# KiCad board 1 - ATX 16 bit ISA passive backplane.kicad_pcb (continued)
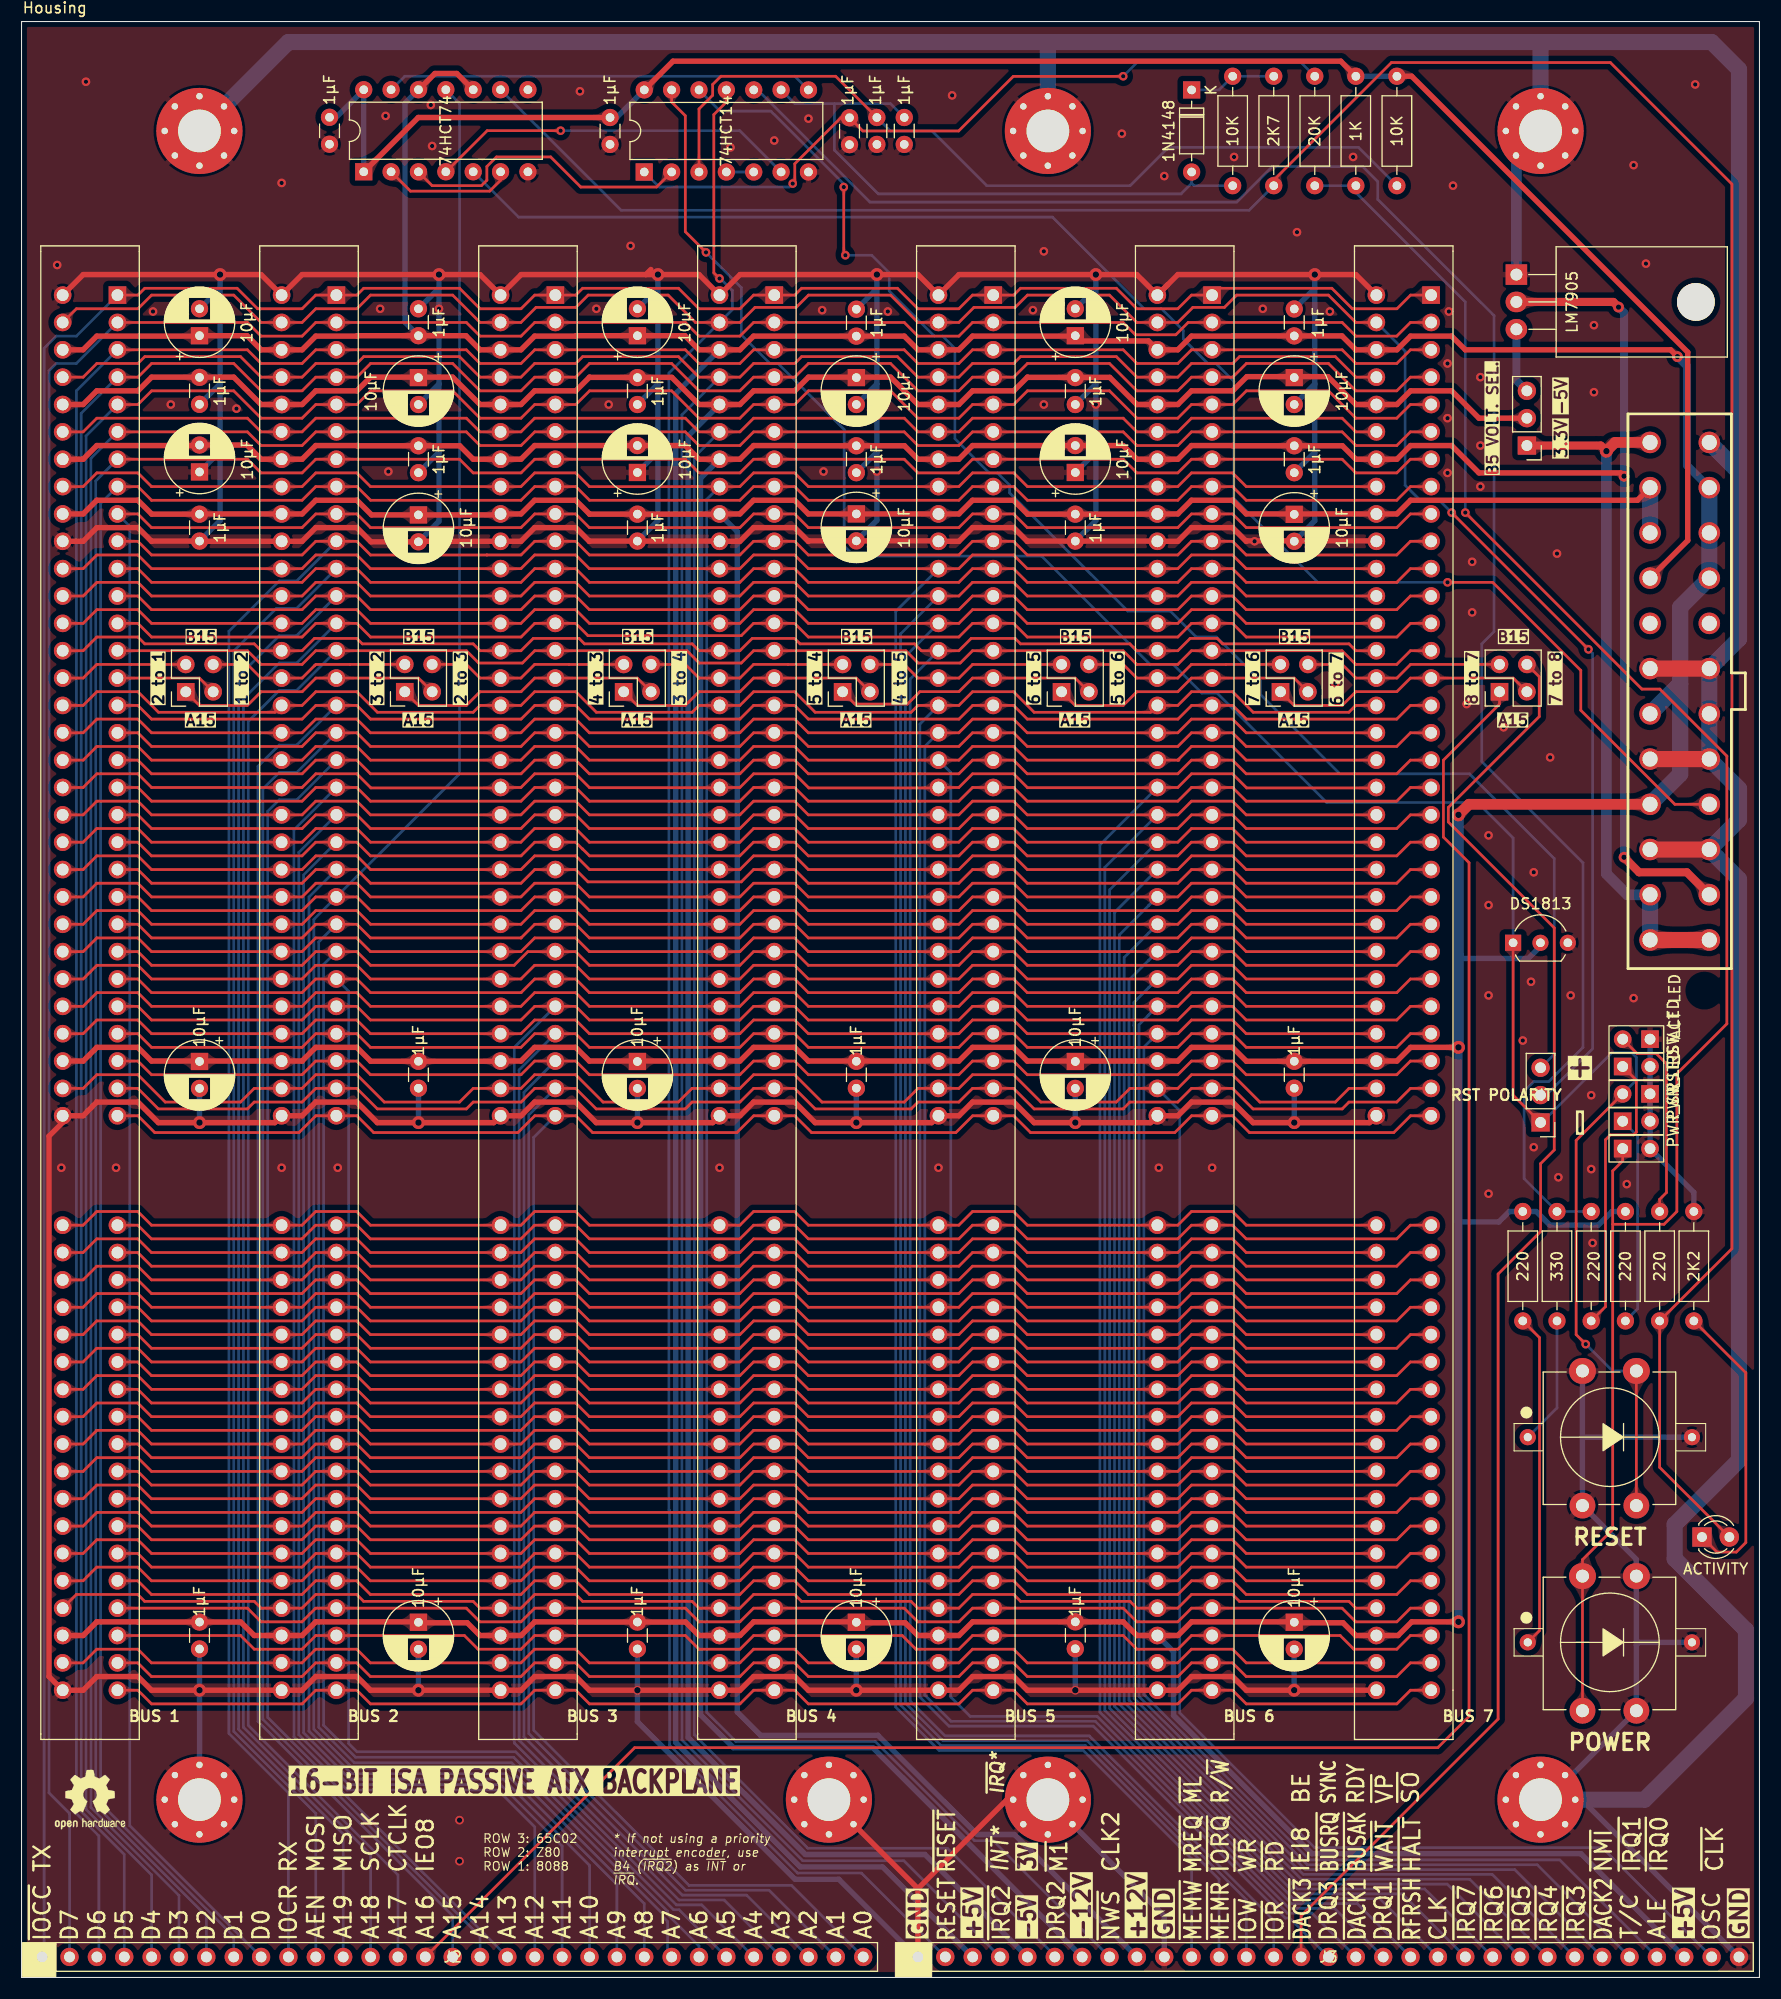
[diagram p0: board, top side]
## Routing (per net, layer and track width the routed paths; a pad name or vN(x,y) marks a point on that pad's centre or on a via; arc(x,y) is an arc through that point) (continued)
/D12: length 128.2
  Top w0.25: J9.77 128.9,34.29 127.63,33.02 123.82,33.02 122.55,34.29 J8.77 108.58,34.29 107.31,33.02 103.51,33.02 102.24,34.29 J7.77 88.26,34.29 86.99,33.02 83.18,33.02 81.91,34.29 J6.77 67.94,34.29 66.67,33.02 62.87,33.02 61.6,34.29 J5.77 47.62,34.29 46.36,33.02 42.55,33.02 41.28,34.29 J4.77 27.3,34.29 26.03,33.02 22.23,33.02 20.96,34.29 J1.77
/D13: length 128.2
  Top w0.25: J1.78 20.33,31.75 21.6,30.48 26.04,30.48 27.31,31.75 J4.78 41.1,31.75 42.37,30.48 46.36,30.48 47.62,31.75 J5.78 61.6,31.75 62.87,30.48 66.67,30.48 67.95,31.75 J6.78 81.74,31.75 83.01,30.48 86.99,30.48 88.26,31.75 J7.78 102.24,31.75 103.51,30.48 107.31,30.48 108.58,31.75 J8.78 122.38,31.75 123.65,30.48 127.63,30.48 128.9,31.75 J9.78
/D14: length 128.2
  Top w0.25: J9.79 128.9,29.21 127.63,27.94 113.66,27.94 112.39,29.21 J8.79 108.58,29.21 107.31,27.94 93.34,27.94 92.07,29.21 J7.79 88.26,29.21 86.99,27.94 73.02,27.94 71.75,29.21 J6.79 67.94,29.21 66.67,27.94 52.7,27.94 51.43,29.21 J5.79 47.62,29.21 46.35,27.94 32.38,27.94 31.11,29.21 J4.79 27.3,29.21 26.03,27.94 12.06,27.94 10.79,29.21 J1.79
/D15: length 128.2
  Top w0.25: J9.80 128.9,26.67 127.63,25.4 113.66,25.4 112.39,26.67 J8.80 108.58,26.67 107.31,25.4 93.34,25.4 92.07,26.67 J7.80 88.26,26.67 86.99,25.4 73.03,25.4 71.76,26.67 J6.80 67.95,26.67 66.67,25.4 52.7,25.4 51.44,26.67 J5.80 47.62,26.67 46.36,25.4 32.39,25.4 31.11,26.67 J4.80 27.31,26.67 26.04,25.4 12.07,25.4 10.8,26.67 J1.80
/IEI1: length 12
  Top w0.25: 3.82,120.65 5.71,120.65 6.98,121.92 10.17,121.92 10.17,121.91 15.24,121.91
/IEI2: length 18.8
  Top w0.25: 17.78,121.91 20.97,121.91 22.23,120.65 J4.46 26.04,120.65 27.18,121.79 27.18,121.79 27.31,121.92 30.49,121.92 30.49,121.92 J23.2
/IEI3: length 18.8
  Top w0.25: J23.4 41.28,121.92 42.55,120.65 J5.46 46.35,120.65 47.62,121.92 50.81,121.92 50.81,121.91 55.88,121.91
/IEI4: length 18.8
  Top w0.25: 58.42,121.91 61.6,121.91 61.6,121.92 62.87,120.65 J6.46 66.67,120.65 67.94,121.92 71.13,121.92 71.13,121.91 76.2,121.91
/IEI5: length 18.8
  Top w0.25: 96.52,121.91 88.28,121.91 88.27,121.92 87,120.65 J7.46 83.19,120.65 81.93,121.91 78.74,121.91
/IEI6: length 18.8
  Top w0.25: 116.84,121.91 116.85,121.92 111.77,121.92 111.77,121.91 108.58,121.91 108.58,121.92 107.31,120.65 J8.46 103.51,120.65 102.25,121.91 99.06,121.91
/IEI7: length 18.8
  Top w0.25: J28.2 128.91,121.92 127.64,120.65 J9.46 123.83,120.65 122.57,121.91 119.38,121.91
/IEI8: length 137.8
  Top w0.25: J3.15 118.75,5.72 137.04,24 137.04,65.31 140.98,69.25 140.98,75.56 142.25,76.83 142.25,97.45 132.41,107.29 132.41,108.63 140.85,117.07 140.85,120.77 J28.4
/IEO1: length 9.4
  Top w0.25: J1.15 16.51,120.65 J22.3
/IEO2: length 25
  Top w0.25: J22.1 16.51,118.11 20.96,118.11 22.23,119.38 26.04,119.38 27.31,120.65 J4.15 36.84,120.65 J23.3
/IEO3: length 25
  Top w0.25: J23.1 36.84,118.11 41.28,118.11 42.55,119.38 46.36,119.38 47.62,120.65 J5.15 57.15,120.65 J24.3
/IEO4: length 25
  Top w0.25: J25.3 77.47,120.65 J6.15 67.94,120.65 66.67,119.38 62.87,119.38 61.6,118.11 57.15,118.11 J24.1
/IEO5: length 24.9
  Top w0.25: J25.1 77.34,118.23 82.22,118.23 83.37,119.39 87,119.39 88.26,120.65 J7.15 97.79,120.65 J26.3
/IEO6: length 25
  Top w0.25: J26.1 97.79,118.11 102.24,118.11 103.51,119.38 107.31,119.38 108.58,120.65 J8.15 118.11,120.65 J27.3
/IEO7: length 25
  Top w0.25: J28.3 138.44,120.65 J9.15 128.9,120.65 127.64,119.39 123.84,119.39 122.56,118.11 118.11,118.11 J27.1
/IEO8: length 204.4
  Top w0.25: J2.15 56.9,21.34 131.44,21.34 134.34,24.24 134.34,103.51 131.96,105.88 131.96,113.03 137.17,118.24 J28.1
/MISO: length 263.3
  Top w0.25: J1.12 10.8,128.27 12.07,127 26.04,127 27.31,128.27 J4.12 31.11,128.27 32.39,127 46.36,127 47.62,128.27 J5.12 51.43,128.27 52.7,127 66.67,127 67.94,128.27 J6.12 71.75,128.27 73.02,127 86.99,127 88.26,128.27 J7.12 92.07,128.27 93.34,127 107.31,127 108.58,128.27 J8.12 112.39,128.27 113.66,127 127.63,127 128.9,128.27 J9.12
  Bottom w0.25: J2.12 29.85,13.33 20.14,23.04 20.14,120.81 23.92,124.59 25.53,124.59 J4.12
/MOSI: length 265.3
  Top w0.25: J9.11 128.9,130.81 127.63,129.54 113.66,129.54 112.39,130.81 J8.11 108.58,130.81 107.31,129.54 93.34,129.54 92.07,130.81 J7.11 88.26,130.81 86.99,129.54 73.02,129.54 71.75,130.81 J6.11 67.94,130.81 66.67,129.54 52.7,129.54 51.43,130.81 J5.11 47.62,130.81 46.36,129.54 32.39,129.54 31.11,130.81 J4.11 27.31,130.81 26.04,129.54 12.07,129.54 10.8,130.81 J1.11
  Bottom w0.25: J2.11 27.31,15.23 19.69,22.85 19.69,123.16 23.66,127.13 25.53,127.13 J4.11
/Power/ATX_3V3: length 65.8
  Top w0.75: J19.1 146.57,142.24 v2(147.09,141.72)
  Top w1: v2(147.09,141.72) 147.9,142.53 J10.12
  Top w1.5: J10.1 J10.13
  Bottom w1: J10.2 149.03,100.53 147.09,102.48 v2(147.09,141.72)
  Bottom w1.5: J10.1 J10.2
/Power/ATX_-5V: length 6.1
  Bottom w0.75: U4.3 138.73,148.29 J19.3
/Power/~{PS_ON}: length 148
  Top w0.25: v1(132.34,129.54) 136.53,129.54 144.71,121.36 144.71,117.66 153.44,108.93 J10.16
  Bottom w0.25: U3.5 46.13,163.45 95.68,163.45 104.19,154.94 105.79,154.94 107.82,152.91 107.82,152.13 110.09,149.86 110.85,149.86 112.51,148.2 112.51,137.34 120.31,129.54 v1(132.34,129.54)
/Power/~{PWR_UP}: length 34.3
  Top w0.25: U3.4 39.4,167.66 43.21,171.48 v1(50.03,171.48)
  Bottom w0.25: v1(50.03,171.48) 66.66,171.48 U1.6
/Reset & LEDs/+RST: length 139.8
  Top w0.25: v1(76.46,159.91) 76.31,160.06 v1(76.31,166.24)
  Bottom w0.25: U1.12 64.84,173.29 69.54,173.29 76.31,166.52 v1(76.31,166.24) ; J16.3 140.99,84.47 142.25,85.72 142.25,103.89 134.37,111.76 122.34,111.76 114.97,119.13 114.97,120.4 110.91,124.46 109.02,124.46 106.61,126.87 102.66,126.87 91.7,137.83 91.7,138.57 90.57,139.7 89.8,139.7 86.62,142.88 86.62,151.27 85.49,152.4 84.72,152.4 80.53,156.59 80.53,158.28 78.9,159.91 v1(76.46,159.91)
/Reset & LEDs/-RST: length 209.5
  Top w0.25: v1(63.52,160.18) 61.6,162.1 61.6,172.86 60.33,174.13 U1.13 ; SW2.2 SW2.2 ; J18.2 144.28,77.72 144.28,59.69 v1(145.17,58.8) ; J16.1 140.96,79.39 138.43,81.92 RS1.1
  Bottom w0.25: J16.1 141.12,79.39 147.58,85.85 149.45,85.85 149.87,85.44 149.87,83.31 J18.2 ; SW2.2 147.65,56.31 v1(145.17,58.8) ; RS1.1 138.43,105.8 135.13,109.09 121.12,109.09 110.96,119.25 109.55,119.25 106.88,121.92 104.73,121.92 94.67,131.97 77.28,131.97 76.35,132.91 76.35,143.72 70.21,149.86 69.46,149.86 66.8,152.52 66.8,156.9 v1(63.52,160.18)
/RX: length 267
  Top w0.25: J9.10 128.9,133.35 127.63,132.08 113.66,132.08 112.39,133.35 J8.10 108.58,133.35 107.31,132.08 93.34,132.08 92.07,133.35 J7.10 88.26,133.35 86.99,132.08 73.02,132.08 71.75,133.35 J6.10 67.94,133.35 66.67,132.08 52.7,132.08 51.43,133.35 J5.10 47.62,133.35 46.36,132.08 43.19,132.08 43.18,132.08 32.39,132.08 31.11,133.35 J4.10 27.31,133.35 26.04,132.08 12.07,132.08 10.8,133.35 J1.10
  Bottom w0.25: J4.10 25.53,129.67 23.92,129.67 19.24,124.99 19.24,22.66 24.77,17.13 J2.10
/RX2: length 128.2
  Top w0.25: J1.72 10.79,46.99 12.06,45.72 26.03,45.72 27.3,46.99 J4.72 31.11,46.99 32.38,45.72 46.35,45.72 47.62,46.99 J5.72 51.43,46.99 52.7,45.72 66.67,45.72 67.94,46.99 J6.72 71.75,46.99 73.02,45.72 86.99,45.72 88.26,46.99 J7.72 92.07,46.99 93.34,45.72 107.31,45.72 108.58,46.99 J8.72 112.39,46.99 113.66,45.72 127.63,45.72 128.9,46.99 J9.72
/SCLK: length 261.4
  Top w0.25: J1.13 10.8,125.73 12.07,124.46 26.04,124.46 27.31,125.73 J4.13 31.12,125.73 32.39,124.46 46.36,124.46 47.62,125.73 J5.13 51.43,125.73 52.57,124.59 66.8,124.59 67.94,125.73 J6.13 71.75,125.73 73.02,124.46 86.99,124.46 88.26,125.73 J7.13 92.07,125.73 93.34,124.46 107.31,124.46 108.58,125.73 J8.13 112.39,125.73 113.66,124.46 127.64,124.46 128.91,125.73 J9.13
  Bottom w0.25: J4.13 25.53,122.05 23.92,122.05 20.59,118.72 20.59,23.22 32.39,11.42 J2.13
/TX: length 290.5
  Top w0.25: J8.1 108.58,156.21 107.31,154.94 103.51,154.94 101.61,156.84 92.72,156.84 92.08,156.21 J7.1 88.26,156.21 86.99,154.94 83.19,154.94 81.29,156.84 72.4,156.84 71.76,156.21 J6.1 67.94,156.21 66.67,154.94 62.87,154.94 60.97,156.84 52.08,156.84 51.44,156.21 J5.1 47.62,156.21 46.36,154.94 42.55,154.94 40.65,156.84 31.76,156.84 31.12,156.21 J4.1 27.31,156.21 26.04,154.94 21.91,154.94 20.01,156.84 11.44,156.84 10.8,156.21 J1.1 ; J8.1 110.57,156.29 ; J8.1 110.65,156.37 ; J8.1 110.57,156.29 ; J8.1 110.81,156.53 ; 110.57,156.29 110.65,156.37 ; 110.81,156.53 111.12,156.84 121.6,156.84 123.51,154.94 127.64,154.94 128.91,156.21 J9.1 ; 110.81,156.53 110.65,156.37
  Bottom w0.25: J2.1 2.1,2.09 2.1,151.28 3.22,152.4 5.09,152.4 J1.1
/TX2: length 128.2
  Top w0.25: J9.63 128.9,69.85 127.63,68.58 113.66,68.58 112.39,69.85 J8.63 108.58,69.85 107.31,68.58 93.34,68.58 92.07,69.85 J7.63 88.26,69.85 86.99,68.58 73.02,68.58 71.75,69.85 J6.63 67.94,69.85 66.67,68.58 52.7,68.58 51.43,69.85 J5.63 47.62,69.85 46.35,68.58 32.38,68.58 31.11,69.85 J4.63 27.3,69.85 26.03,68.58 12.06,68.58 10.79,69.85 J1.63
/USR1: length 128.2
  Top w0.25: 3.82,49.53 5.71,49.53 6.98,50.8 10.79,50.8 12.06,49.53 J4.89 26.03,49.53 27.3,50.8 31.11,50.8 32.38,49.53 J5.89 46.35,49.53 47.62,50.8 51.43,50.8 52.7,49.53 J6.89 66.67,49.53 67.94,50.8 71.75,50.8 73.02,49.53 J7.89 86.99,49.53 88.26,50.8 92.07,50.8 93.34,49.53 J8.89 107.31,49.53 108.58,50.8 112.39,50.8 113.66,49.53 J9.89
/USR2: length 128.2
  Top w0.25: J9.90 113.66,46.99 112.39,48.26 108.58,48.26 107.31,46.99 J8.90 93.34,46.99 92.07,48.26 88.26,48.26 86.99,46.99 J7.90 73.02,46.99 71.75,48.26 67.94,48.26 66.67,46.99 J6.90 52.7,46.99 51.43,48.26 47.62,48.26 46.35,46.99 J5.90 32.38,46.99 31.11,48.26 27.3,48.26 26.03,46.99 J4.90 12.06,46.99 10.79,48.26 6.98,48.26 5.71,46.99 3.82,46.99
/USR3: length 128.2
  Top w0.25: 3.82,44.45 5.71,44.45 6.98,45.72 10.79,45.72 12.06,44.45 J4.91 26.03,44.45 27.3,45.72 31.11,45.72 32.38,44.45 J5.91 46.35,44.45 47.62,45.72 51.43,45.72 52.7,44.45 J6.91 66.67,44.45 67.94,45.72 71.75,45.72 73.02,44.45 J7.91 86.99,44.45 88.26,45.72 92.07,45.72 93.34,44.45 J8.91 107.31,44.45 108.58,45.72 112.39,45.72 113.66,44.45 J9.91
/USR4: length 128.2
  Top w0.25: J9.92 113.66,41.91 112.39,43.18 108.58,43.18 107.31,41.91 J8.92 93.34,41.91 92.07,43.18 88.26,43.18 86.99,41.91 J7.92 73.02,41.91 71.75,43.18 67.94,43.18 66.67,41.91 J6.92 52.7,41.91 51.43,43.18 47.62,43.18 46.35,41.91 J5.92 32.38,41.91 31.11,43.18 27.3,43.18 26.03,41.91 J4.92 12.06,41.91 10.79,43.18 6.98,43.18 5.71,41.91 3.82,41.91
/USR5: length 128.2
  Top w0.25: J9.93 113.66,39.37 112.39,40.64 108.58,40.64 107.31,39.37 J8.93 93.34,39.37 92.07,40.64 88.26,40.64 86.99,39.37 J7.93 73.02,39.37 71.75,40.64 67.94,40.64 66.67,39.37 J6.93 52.7,39.37 51.43,40.64 47.62,40.64 46.35,39.37 J5.93 32.38,39.37 31.11,40.64 27.3,40.64 26.03,39.37 J4.93 12.06,39.37 10.79,40.64 6.98,40.64 5.71,39.37 3.82,39.37
/USR6: length 128.2
  Top w0.25: J9.94 113.66,36.83 112.39,38.1 108.58,38.1 107.31,36.83 J8.94 93.34,36.83 92.07,38.1 88.26,38.1 86.99,36.83 J7.94 73.02,36.83 71.75,38.1 67.94,38.1 66.67,36.83 J6.94 52.7,36.83 51.43,38.1 47.62,38.1 46.35,36.83 J5.94 32.38,36.83 31.11,38.1 27.3,38.1 26.03,36.83 J4.94 12.06,36.83 10.79,38.1 6.98,38.1 5.71,36.83 3.82,36.83
/USR7: length 128.2
  Top w0.25: 3.82,34.29 5.09,35.56 10.79,35.56 11.42,34.92 21.6,34.92 22.23,34.29 J4.95 26.03,34.29 27.3,35.56 31.11,35.56 31.74,34.92 41.91,34.92 42.55,34.29 J5.95 46.35,34.29 47.62,35.56 51.44,35.56 52.08,34.92 62.24,34.92 62.87,34.29 J6.95 66.67,34.29 67.94,35.56 71.75,35.56 72.38,34.92 82.55,34.92 83.18,34.29 J7.95 86.99,34.29 88.26,35.56 92.08,35.56 92.72,34.92 102.88,34.92 103.51,34.29 J8.95 107.31,34.29 108.58,35.56 112.39,35.56 113.02,34.92 123.19,34.92 123.82,34.29 J9.95
/USR8: length 128.2
  Top w0.25: 3.82,29.21 5.71,29.21 6.98,30.48 10.79,30.48 12.06,29.21 J4.97 26.03,29.21 27.3,30.48 31.11,30.48 32.38,29.21 J5.97 46.35,29.21 47.62,30.48 51.43,30.48 52.7,29.21 J6.97 66.67,29.21 67.94,30.48 71.75,30.48 73.02,29.21 J7.97 86.99,29.21 88.26,30.48 92.07,30.48 93.34,29.21 J8.97 107.31,29.21 108.58,30.48 112.39,30.48 113.66,29.21 J9.97
/~{BUSAK}: length 268.2
  Top w0.25: 3.82,115.57 5.71,115.57 6.98,116.84 10.8,116.84 12.07,115.57 J4.48 26.04,115.57 27.31,116.84 31.11,116.84 32.39,115.57 J5.48 46.35,115.57 47.62,116.84 51.43,116.84 52.7,115.57 J6.48 66.67,115.57 67.94,116.84 71.75,116.84 73.02,115.57 J7.48 86.99,115.57 88.26,116.84 92.07,116.84 93.34,115.57 J8.48 107.31,115.57 108.58,116.84 112.39,116.84 113.66,115.57 J9.48
  Bottom w0.25: J7.48 83.83,114.3 83.83,26.22 86.27,23.78 99.65,23.78 117.47,5.97 119.77,5.97 J3.17
/~{BUSRQ}: length 272.1
  Top w0.25: J9.47 123.82,118.11 123.18,117.47 114.31,117.47 112.4,119.38 108.58,119.38 107.31,118.11 J8.47 104.77,117.47 93.97,117.47 92.07,119.38 88.26,119.38 86.99,118.11 J7.47 83.19,118.11 82.56,117.47 73.65,117.47 71.75,119.38 67.94,119.38 66.67,118.11 J6.47 62.87,118.11 62.24,117.47 53.35,117.47 51.44,119.38 47.62,119.38 46.35,118.11 J5.47 42.55,118.11 41.92,117.47 33.03,117.47 31.12,119.38 27.31,119.38 26.04,118.11 J4.47 23.5,117.47 12.71,117.47 10.8,119.38 6.98,119.38 5.71,118.11 3.82,118.11
  Bottom w0.25: J3.16 117.68,5.51 117.28,5.51 99.47,23.33 86.08,23.33 83.38,26.03 83.38,116.39 J7.47
/~{CLK}: length 252.1
  Top w0.25: J9.61 123.2,82.55 121.93,81.28 114.93,81.28 112.39,83.82 108.58,83.82 107.31,82.55 J8.61 102.86,82.55 101.59,81.28 94.61,81.28 92.07,83.82 88.26,83.82 86.99,82.55 J7.61 83.19,82.55 81.92,81.28 74.29,81.28 71.75,83.82 67.94,83.82 66.67,82.55 J6.61 62.22,82.55 60.95,81.28 53.97,81.28 51.43,83.82 47.62,83.82 46.35,82.55 J5.61 41.92,82.55 40.65,81.28 33.66,81.28 31.12,83.82 27.31,83.82 26.04,82.55 J4.61 21.59,82.55 20.32,81.28 13.33,81.28 10.8,83.82 6.98,83.82 5.71,82.55 3.82,82.55
  Bottom w0.25: J3.30 146.69,12.06 120,12.06 107.49,24.57 107.49,80.47 J8.61
/~{HALT}: length 254.7
  Top w0.25: 125.71,110.47 125.73,110.49 ; 125.71,110.47 125.72,110.47 J9.50 ; 125.71,110.47 125.69,110.45 113.7,110.45 112.39,111.76 108.58,111.76 107.31,110.49 J8.50 105.39,110.47 93.36,110.47 92.07,111.76 88.26,111.76 86.99,110.49 J7.50 85.09,110.49 85.05,110.45 73.06,110.45 71.75,111.76 67.94,111.76 66.67,110.49 J6.50 64.76,110.47 52.72,110.47 51.43,111.76 47.62,111.76 46.35,110.49 J5.50 ; 44.45,110.49 J5.50 ; J5.50 44.42,110.45 32.42,110.45 31.11,111.76 27.31,111.76 26.04,110.49 J4.50 12.07,110.49 10.8,111.76 6.98,111.76 5.71,110.49 3.82,110.49
  Bottom w0.25: J8.50 100.08,105.16 100.08,24.62 117.84,6.86 123.95,6.86 J3.19
/~{IORQ}: length 276.1
  Top w0.25: J9.43 113.66,128.27 112.39,129.54 108.58,129.54 107.31,128.27 J8.43 93.34,128.27 92.07,129.54 88.26,129.54 86.99,128.27 J7.43 73.02,128.27 71.75,129.54 67.94,129.54 66.67,128.27 J6.43 52.7,128.27 51.43,129.54 47.62,129.54 46.35,128.27 J5.43 32.39,128.27 31.11,129.54 27.31,129.54 26.04,128.27 J4.43 12.07,128.27 10.8,129.54 6.98,129.54 5.71,128.27 3.82,128.27
  Bottom w0.25: J3.12 111.13,9.12 98.72,21.53 85.33,21.53 81.58,25.29 81.58,124.75 J7.43
/~{IRQ0}: length 248.7
  Top w0.25: J9.59 113.66,87.63 112.39,88.9 108.58,88.9 107.31,87.63 J8.59 93.34,87.63 92.07,88.9 88.26,88.9 86.99,87.63 J7.59 73.02,87.63 71.75,88.9 67.94,88.9 66.67,87.63 J6.59 52.7,87.63 51.43,88.9 47.62,88.9 46.35,87.63 J5.59 32.39,87.63 31.11,88.9 27.31,88.9 26.04,87.63 J4.59 12.07,87.63 10.8,88.9 6.98,88.9 5.71,87.63 3.82,87.63
  Bottom w0.25: J3.28 142.76,10.91 119.52,10.91 104.16,26.28 104.16,86.38 104.78,87 ; 104.78,87 J8.59 104.78,87
/~{IRQ1}: length 249.7
  Top w0.25: J9.58 113.66,90.17 112.39,91.44 108.58,91.44 107.31,90.17 J8.58 93.34,90.17 92.07,91.44 88.26,91.44 86.99,90.17 J7.58 73.02,90.17 71.75,91.44 67.94,91.44 66.67,90.17 J6.58 52.7,90.17 51.43,91.44 47.62,91.44 46.35,90.17 J5.58 32.39,90.17 31.11,91.44 27.31,91.44 26.04,90.17 J4.58 12.07,90.17 10.8,91.44 6.98,91.44 5.71,90.17 3.82,90.17
  Bottom w0.25: J3.27 140.67,10.47 119.33,10.47 103.71,26.09 103.71,88.47 104.6,89.36 ; 104.6,89.36 104.6,89.36 J8.58 104.6,89.36
/~{IRQ2}: length 297.2
  Top w0.25: J9.35 123.83,148.59 121.93,150.5 113.04,150.5 112.4,149.86 108.58,149.86 107.31,148.59 J8.35 103.51,148.59 101.61,150.5 92.72,150.5 92.08,149.86 88.26,149.86 86.99,148.59 J7.35 83.19,148.59 81.29,150.5 72.4,150.5 71.76,149.86 67.94,149.86 66.67,148.59 J6.35 62.87,148.59 60.97,150.5 52.08,150.5 51.44,149.86 47.62,149.86 46.35,148.59 J5.35 42.55,148.59 40.65,150.5 31.76,150.5 31.12,149.86 27.31,149.86 26.04,148.59 J4.35 22.23,148.59 20.33,150.5 11.44,150.5 10.8,149.86 6.98,149.86 5.71,148.59 3.82,148.59
  Bottom w0.25: J3.4 81.87,10.84 72.5,10.84 61.29,22.06 61.29,145.1 J6.35
/~{IRQ3}: length 251.2
  Top w0.25: 3.82,95.25 5.71,95.25 6.98,96.52 10.8,96.52 12.07,95.25 J4.56 26.04,95.25 27.31,96.52 31.11,96.52 32.39,95.25 J5.56 46.35,95.25 47.62,96.52 51.43,96.52 52.7,95.25 J6.56 66.67,95.25 67.94,96.52 71.75,96.52 73.02,95.25 J7.56 86.99,95.25 88.26,96.52 92.07,96.52 93.34,95.25 J8.56 107.31,95.25 108.58,96.52 112.39,96.52 113.66,95.25 J9.56
  Bottom w0.25: 104.6,94.44 102.78,92.62 102.78,25.74 118.96,9.56 136.49,9.56 J3.25 ; 104.6,94.44 104.6,94.44 J8.56 104.6,94.44
/~{IRQ4}: length 251.4
  Top w0.25: J9.55 113.66,97.79 112.39,99.06 108.58,99.06 107.31,97.79 J8.55 93.34,97.79 92.07,99.06 88.26,99.06 86.99,97.79 J7.55 73.02,97.79 71.75,99.06 67.94,99.06 66.67,97.79 J6.55 52.7,97.79 51.43,99.06 47.62,99.06 46.35,97.79 J5.55 32.39,97.79 31.12,99.06 27.31,99.06 26.04,97.79 J4.55 12.07,97.79 10.8,99.06 6.98,99.06 5.71,97.79 3.82,97.79
  Bottom w0.25: 105,97.38 J8.55 105,97.38 ; 105,97.38 104.6,96.98 102.33,94.71 102.33,25.56 118.77,9.11 134.4,9.11 J3.24
/~{IRQ5}: length 252.7
  Top w0.25: J9.54 113.66,100.33 112.39,101.6 108.58,101.6 107.31,100.33 J8.54 93.34,100.33 92.07,101.6 88.26,101.6 86.99,100.33 J7.54 73.02,100.33 71.75,101.6 67.94,101.6 66.67,100.33 J6.54 52.7,100.33 51.43,101.6 47.62,101.6 46.35,100.33 J5.54 32.39,100.33 31.12,101.6 27.31,101.6 26.04,100.33 J4.54 12.07,100.33 10.8,101.6 6.98,101.6 5.71,100.33 3.82,100.33
  Bottom w0.25: J3.23 132.31,8.66 118.59,8.66 101.88,25.37 101.88,96.8 104.6,99.52 ; 104.6,99.52 J8.54 104.6,99.52 104.6,99.52
/~{IRQ6}: length 252.3
  Top w0.25: J9.53 113.66,102.87 112.39,104.14 108.58,104.14 107.31,102.87 J8.53 93.34,102.87 92.07,104.14 88.26,104.14 86.99,102.87 J7.53 73.02,102.87 71.75,104.14 67.94,104.14 66.67,102.87 J6.53 52.71,102.87 51.44,104.14 47.62,104.14 46.35,102.87 J5.53 32.39,102.87 31.12,104.14 27.31,104.14 26.04,102.87 J4.53 12.07,102.87 10.8,104.14 6.98,104.14 5.71,102.87 3.82,102.87
  Bottom w0.25: J8.53 101.43,98.89 101.43,25.19 118.4,8.22 130.22,8.22 J3.22
/~{IRQ7}: length 253.1
  Top w0.25: J9.52 113.66,105.41 112.39,106.68 108.58,106.68 107.31,105.41 J8.52 93.33,105.41 92.06,106.68 88.25,106.68 86.98,105.41 J7.52 73.02,105.41 71.75,106.68 67.94,106.68 66.67,105.41 J6.52 52.69,105.41 51.42,106.68 47.61,106.68 46.34,105.41 J5.52 32.39,105.41 31.11,106.68 27.31,106.68 26.04,105.41 J4.52 12.06,105.41 10.79,106.68 6.98,106.68 5.71,105.41 3.82,105.41
  Bottom w0.25: J3.21 128.13,7.76 118.22,7.76 100.98,25 100.98,100.98 J8.52
/~{IRQ8}: length 128.2
  Top w0.25: J9.81 113.66,69.85 112.39,71.12 108.58,71.12 107.31,69.85 J8.81 93.34,69.85 92.07,71.12 88.26,71.12 86.99,69.85 J7.81 73.02,69.85 71.75,71.12 67.94,71.12 66.67,69.85 J6.81 52.7,69.85 51.43,71.12 47.62,71.12 46.35,69.85 J5.81 32.38,69.85 31.11,71.12 27.3,71.12 26.03,69.85 J4.81 12.06,69.85 10.79,71.12 6.98,71.12 5.71,69.85 3.82,69.85
/~{IRQ9}: length 128.2
  Top w0.25: 3.82,67.31 5.71,67.31 6.98,68.58 10.79,68.58 12.06,67.31 J4.82 26.03,67.31 27.3,68.58 31.11,68.58 32.38,67.31 J5.82 46.35,67.31 47.62,68.58 51.43,68.58 52.7,67.31 J6.82 66.67,67.31 67.94,68.58 71.75,68.58 73.02,67.31 J7.82 86.99,67.31 88.26,68.58 92.07,68.58 93.34,67.31 J8.82 107.31,67.31 108.58,68.58 112.39,68.58 113.66,67.31 J9.82
/~{IRQ10}: length 128.2
  Top w0.25: 3.82,64.77 5.71,64.77 6.98,66.04 10.79,66.04 12.06,64.77 J4.83 26.03,64.77 27.3,66.04 31.11,66.04 32.38,64.77 J5.83 46.35,64.77 47.62,66.04 51.43,66.04 52.7,64.77 J6.83 66.67,64.77 67.94,66.04 71.75,66.04 73.02,64.77 J7.83 86.99,64.77 88.26,66.04 92.07,66.04 93.34,64.77 J8.83 107.31,64.77 108.58,66.04 112.39,66.04 113.66,64.77 J9.83
/~{IRQ11}: length 128.2
  Top w0.25: J9.84 113.66,62.23 112.39,63.5 108.58,63.5 107.31,62.23 J8.84 93.34,62.23 92.07,63.5 88.26,63.5 86.99,62.23 J7.84 73.02,62.23 71.75,63.5 67.94,63.5 66.67,62.23 J6.84 52.7,62.23 51.43,63.5 47.62,63.5 46.35,62.23 J5.84 32.38,62.23 31.11,63.5 27.3,63.5 26.03,62.23 J4.84 12.06,62.23 10.79,63.5 6.98,63.5 5.71,62.23 3.82,62.23
/~{IRQ12}: length 128.2
  Top w0.25: 3.82,59.69 5.71,59.69 6.98,60.96 10.79,60.96 12.06,59.69 J4.85 26.03,59.69 27.3,60.96 31.11,60.96 32.38,59.69 J5.85 46.35,59.69 47.62,60.96 51.43,60.96 52.7,59.69 J6.85 66.67,59.69 67.94,60.96 71.75,60.96 73.02,59.69 J7.85 86.99,59.69 88.26,60.96 92.07,60.96 93.34,59.69 J8.85 107.31,59.69 108.58,60.96 112.39,60.96 113.66,59.69 J9.85
/~{IRQ13}: length 128.2
  Top w0.25: J9.86 113.66,57.15 112.39,58.42 108.58,58.42 107.31,57.15 J8.86 93.34,57.15 92.07,58.42 88.26,58.42 86.99,57.15 J7.86 73.02,57.15 71.75,58.42 67.94,58.42 66.67,57.15 J6.86 52.7,57.15 51.43,58.42 47.62,58.42 46.35,57.15 J5.86 32.38,57.15 31.11,58.42 27.3,58.42 26.03,57.15 J4.86 12.06,57.15 10.79,58.42 6.98,58.42 5.71,57.15 3.82,57.15
/~{IRQ14}: length 128.2
  Top w0.25: 3.82,54.61 5.71,54.61 6.98,55.88 10.79,55.88 12.06,54.61 J4.87 26.03,54.61 27.3,55.88 31.11,55.88 32.38,54.61 J5.87 46.35,54.61 47.62,55.88 51.43,55.88 52.7,54.61 J6.87 66.67,54.61 67.94,55.88 71.75,55.88 73.02,54.61 J7.87 86.99,54.61 88.26,55.88 92.07,55.88 93.34,54.61 J8.87 107.31,54.61 108.58,55.88 112.39,55.88 113.66,54.61 J9.87
/~{IRQ15}: length 128.2
  Top w0.25: 3.82,52.07 5.71,52.07 6.98,53.34 10.79,53.34 12.06,52.07 J4.88 26.03,52.07 27.3,53.34 31.11,53.34 32.38,52.07 J5.88 46.35,52.07 47.62,53.34 51.43,53.34 52.7,52.07 J6.88 66.67,52.07 67.94,53.34 71.75,53.34 73.02,52.07 J7.88 86.99,52.07 88.26,53.34 92.07,53.34 93.34,52.07 J8.88 107.31,52.07 108.58,53.34 112.39,53.34 113.66,52.07 J9.88
/~{M1}: length 292.3
  Top w0.25: J9.37 123.83,143.51 122.56,144.78 108.58,144.78 107.31,143.51 J8.37 103.51,143.51 102.24,144.78 92.08,144.78 92.08,144.77 92.07,144.78 88.26,144.78 86.99,143.51 J7.37 83.19,143.51 81.92,144.78 67.94,144.78 66.67,143.51 J6.37 62.87,143.51 61.6,144.78 47.62,144.78 46.35,143.51 J5.37 42.55,143.51 41.28,144.78 27.31,144.78 26.04,143.51 J4.37 22.23,143.51 20.96,144.78 6.98,144.78 5.71,143.51 3.82,143.51
  Bottom w0.25: J3.6 95.89,2.03 85.93,11.99 72.98,11.99 62.44,22.53 62.44,141.17 J6.37
/~{MREQ}: length 278
  Top w0.25: J9.42 113.66,130.81 112.39,132.08 108.58,132.08 107.31,130.81 J8.42 93.34,130.81 92.07,132.08 88.26,132.08 86.99,130.81 J7.42 73.02,130.81 71.75,132.08 67.94,132.08 66.67,130.81 J6.42 52.7,130.81 51.43,132.08 47.62,132.08 46.35,130.81 J5.42 32.39,130.81 31.11,132.08 27.31,132.08 26.04,130.81 J4.42 12.07,130.81 10.8,132.08 6.98,132.08 5.71,130.81 3.82,130.81
  Bottom w0.25: J3.11 108.59,11.03 98.53,21.08 85.15,21.08 81.13,25.1 81.13,126.84 J7.42
/~{NMI}: length 250.5
  Top w0.25: J9.57 113.66,92.71 112.39,93.98 108.58,93.98 107.31,92.71 J8.57 93.34,92.71 92.07,93.98 88.26,93.98 86.99,92.71 J7.57 73.02,92.71 71.75,93.98 67.94,93.98 66.67,92.71 J6.57 52.7,92.71 51.43,93.98 47.62,93.98 46.35,92.71 J5.57 32.39,92.71 31.12,93.98 27.31,93.98 26.04,92.71 J4.57 12.07,92.71 10.8,93.98 6.98,93.98 5.71,92.71 3.82,92.71
  Bottom w0.25: 104.6,91.9 104.6,91.9 J8.57 104.6,91.9 ; 104.6,91.9 103.23,90.53 103.23,88.39 103.26,88.37 103.26,25.91 119.15,10.01 138.58,10.01 J3.26
/~{RD}: length 271.9
  Top w0.25: 3.82,123.19 5.71,123.19 6.98,124.46 10.8,124.46 11.44,123.82 21.6,123.82 22.23,123.19 J4.45 26.04,123.19 27.18,124.33 31.12,124.33 31.63,123.82 41.92,123.82 42.55,123.19 J5.45 46.35,123.19 47.49,124.33 51.74,124.33 52.25,123.82 62.24,123.82 62.87,123.19 J6.45 66.67,123.19 67.81,124.33 71.74,124.33 72.25,123.82 82.87,123.82 83.51,123.19 J7.45 86.99,123.19 88.13,124.33 92.21,124.33 92.72,123.82 102.86,123.82 103.5,123.19 J8.45 107.31,123.19 108.45,124.33 110.96,124.33 111.47,123.82 123.2,123.82 123.83,123.19 J9.45
  Bottom w0.25: J7.45 82.48,120.57 82.48,25.66 85.71,22.43 99.09,22.43 116.21,5.31 J3.14
/~{RESET}: length 409.7
  Top w0.25: 3.82,153.67 5.09,154.94 10.8,154.94 12.07,156.21 19.69,156.21 22.23,153.67 J4.33 26.04,153.67 27.31,154.94 31.12,154.94 32.39,156.21 40.01,156.21 42.55,153.67 J5.33 46.35,153.67 47.75,155.07 51.44,155.07 52.58,156.21 60.01,156.21 62.55,153.67 J6.33 66.67,153.67 68.07,155.07 71.89,155.07 73.03,156.21 80.65,156.21 83.19,153.67 J7.33 86.99,153.67 88.39,155.07 92.21,155.07 93.35,156.21 100.97,156.21 103.51,153.67 J8.33 107.31,153.67 108.71,155.07 111.63,155.07 112.77,156.21 121.29,156.21 123.83,153.67 124.96,153.67 ; 124.96,153.67 J9.33 ; 124.96,153.67 125.41,154.12 ; v1(145.42,123.32) v1(132.72,136.02) ; U1.11 65.41,174.13 64.25,172.97 64.25,158.28 v1(64.78,157.75)
  Bottom w0.25: J16.2 141.5,81.93 145.8,86.23 145.8,122.94 v1(145.42,123.32) ; v1(64.78,157.75) 64.85,157.75 65.97,156.63 65.97,154.87 J6.33 60.08,148.97 60.08,43.43 60.14,43.37 60.14,21.58 72.02,9.69 77.94,9.69 J3.2 ; v1(132.72,136.02) 131.58,137.16 129.8,137.16 128.4,138.56 128.4,151 J9.33
/~{WAIT}: length 265.9
  Top w0.25: J9.49 113.66,113.03 112.39,114.3 108.58,114.3 107.4,113.13 107.4,113.03 107.31,113.03 107.31,113.03 J8.49 93.34,113.03 92.07,114.3 88.26,114.3 86.99,113.03 J7.49 73.02,113.03 71.75,114.3 67.94,114.3 66.67,113.03 J6.49 52.7,113.03 51.43,114.3 47.62,114.3 46.35,113.03 J5.49 32.39,113.03 31.11,114.3 27.31,114.3 26.04,113.03 J4.49 12.07,113.03 10.8,114.3 6.98,114.3 5.71,113.03 3.82,113.03
  Bottom w0.25: J7.49 86.24,111.89 86.24,26.03 88.04,24.23 99.84,24.23 117.66,6.41 121.86,6.41 J3.18
/~{WR}: length 274.3
  Top w0.25: 3.82,125.73 5.71,125.73 6.98,127 10.8,127 12.07,125.73 J4.44 26.04,125.73 27.31,127 31.11,127 32.39,125.73 J5.44 46.35,125.73 47.62,127 51.43,127 52.7,125.73 J6.44 66.67,125.73 67.94,127 71.75,127 73.02,125.73 J7.44 86.99,125.73 88.26,127 92.07,127 93.34,125.73 J8.44 107.31,125.73 108.58,127 112.39,127 113.66,125.73 J9.44
  Bottom w0.25: J3.13 113.67,7.22 98.91,21.98 85.52,21.98 82.03,25.48 82.03,122.66 J7.44
Net-(C38-Pad1): length 79.6
  Top w0.25: U1.3 62.87,173.49 64.14,174.76 64.14,175.77 64.9,176.53 75.55,176.53 C38.1
  Bottom w0.25: R4.2 124.09,169.93 106.43,169.93 102.88,166.37 89.58,166.37 84.5,171.45 80.63,171.45 C38.1
Net-(C39-Pad1): length 70.2
  Top w0.25: v1(102.24,176.53) 102.23,176.52 92.04,176.52 86.97,171.45 78.07,171.45 C39.1 76.04,172.68 71.76,168.4 71.76,166.76 v1(71.57,166.56)
  Bottom w0.25: v1(102.24,176.53) 103.64,177.93 118.62,177.93 R9.2 ; v1(71.57,166.56) 71.25,166.24 59.19,166.24 U1.1
Net-(D2-A): length 57
  Bottom w0.25: D2.2 108.59,166.59 ; 108.59,166.59 107.61,165.61 79.51,165.61 75.44,169.67 75.44,173.99 ; 108.59,166.59 108.81,166.37 R14.2 ; U1.9 71.76,173.99 80.63,173.99 C46.1
Net-(D2-K): length 8.1
  Bottom w0.25: R15.1 R14.1 111.13,175.26 D2.1
Net-(D3-A): length 260.7
  Top w0.25: R15.2 116.21,166.88 127.13,177.8 147.45,177.8 158.73,166.52 158.73,67.67 R17.1 152.03,47.37 D3.2
  Bottom w0.25: U3.9 55.65,164.08 113.93,164.08 R15.2
Net-(D3-K): length 27.6
  Top w0.25: R16.1 160.03,56.13 160.03,40.39 159.14,39.5 157.35,39.5 D3.1
Net-(J13-Pin_1): length 19.6
  Bottom w0.25: R2.1 149.98,62.09 149.98,78.12 J13.1
Net-(J14-Pin_1): length 176.4
  Top w0.25: 147.67,69.93 147.67,41.6 144.87,38.79 SW1.1 SW1.1 ; 147.67,69.93 147.67,74.89 148.6,75.82 J14.1 ; 147.67,69.93 152.44,69.93 153.63,71.12 153.63,83.91 158.27,88.55 158.27,113.41 152.05,119.63 150.38,119.63 v1(133.99,136.02)
  Bottom w0.25: v1(133.99,136.02) 133.99,155.57 123.83,165.73 R8.2 R9.1
Net-(J17-Pin_1): length 27.1
  Top w0.25: R11.1 147,62.28 147,77.78 147.45,78.23 149.61,78.23 149.87,78.49 149.87,83.31 J17.1
Net-(J20-Pin_2): length 19
  Top w0.25: J20.2 149.93,85.79 151.71,85.79 152.66,84.84 152.66,72.88 152.03,72.25 R17.2
Net-(R10-Pad2): length 176.2
  Bottom w0.25: R11.2 R10.2 139.45,74.17 139.45,82.3 140.34,83.18 141.74,83.18 144.91,86.36 144.91,103.5 135.52,112.9 135.52,123.82 136.66,124.97 136.66,154.31 125.86,165.1 125.86,166.75 124.47,168.15 116.08,168.15 112.78,164.85 78.73,164.85 68.31,175.26 U1.10
Net-(SW1-A): length 30.9
  Top w0.25: R1.1 140.88,59.41 140.88,32.21 SW1.4
Net-(SW2-A): length 11.9
  Bottom w0.25: SW2.4 142.5,52.88 R10.1
Net-(U1-Pad4): length 2.5
  Bottom w0.25: U1.5 U1.4
Net-(U3A-C): length 27.6
  Top w0.25: U1.2 58.93,166.24 51.9,166.24 49.11,169.04 44.08,169.04 43.19,168.15 43.19,166.88 42.68,166.37 38.11,166.37 36.84,167.64 U3.3
Net-(U3A-D): length 12.1
  Top w0.25: U3.6 44.46,166.88 43.44,165.86 36.09,165.86 U3.2
Net-(U3B-~{R}): length 39.8
  Bottom w0.25: U1.8 71.76,176.53 35.57,176.53 34.32,175.28 U3.13

## Copper pours and planes (outline as drawn; the poured copper is in the pictures)
GND on Top, Bottom: 166.38,186.06 166.38,-6.35 -3.17,-6.35 -5.71,-3.81 -5.71,186.06

Small or netless copper shapes (teardrops, artwork), in the pictures only: 1309 on Top, 214 on Bottom

## Text on the board
B.Silkscreen: Designed by: Frédéric Segard / Rev 2.1: September 2023 | A01 | A02 | A03 | A04 | A05 | A06 | A07 | A08 | A09 | A10 | A11 | A12 | A13 | A14 | A15 | A16 | A17 | A18 | A19 | A20 | A21 | A22 | A23 | A24 | A25 | A26 | A27 | A28 | A29 | A30 | A31 | B01 | B02 | B03 | B04 | B05 | B06 | B07 | B08 | B09 | B10 | B11 | B12 | B13 | B14 | B15 | B16 | B17 | B18 | B19 | B20 | B21 | B22 | B23 | B24 | B25 | B26 | B27 | B28 | B29 | B30 | B31 | 16-BIT ISA PASSIVE ATX BACKPLANE
F.Silkscreen: SYNC | ~{BUSRQ} | ~{BUSAK} | ~{IRQ}* | ~{DACK3} | ~{DACK1} | ~{RFRSH} | ~{DACK2} | 3V | -5V | ~{RESET} | RESET | ~{ML} | ~{MREQ} | ~{MEMW} | R/~{W} | ~{MEMR} | RDY | CTCLK | DRQ2 | ~{M1} | DRQ3 | DRQ1 | ~{INT}* | TX | ~{IOCC} | D7 | D6 | D5 | D4 | D3 | D2 | D1 | D0 | RX | IOCR | MOSI | AEN | MISO | A19 | SCLK | A18 | A17 | IEO8 | A16 | A15 | A14 | A13 | A12 | A11 | A10 | A9 | A8 | A7 | A6 | A5 | A4 | A3 | A2 | A1 | A0 | ~{IRQ2} | CLK2 | ~{NWS} | ~{IORQ} | ~{WR} | ~{IOW} | ~{RD} | ~{IOR} | IEI8 | BE | ~{VP} | ~{WAIT} | ~{SO} | ~{HALT} | CLK | ~{IRQ7} | ~{IRQ6} | ~{IRQ5} | ~{IRQ4} | ~{IRQ3} | ~{NMI} | T/C | ~{IRQ1} | ALE | ~{IRQ0} | OSC | ~{CLK} | GND | +5V | -12V | +12V | 16-BIT ISA PASSIVE ATX BACKPLANE | ROW 3: 65C02 / ROW 2: Z80 / ROW 1: 8088 | * If not using a priority interrupt encoder, use B4 (~{IRQ2}) as ~{INT} or ~{IRQ}.
